# Altium PCB Fri3d_2024_Exp0_01.PcbDoc (part 1 of 2)
Units mm, origin at the board's own origin, x right, y up, seen from the top; angles counter-clockwise.
Board outline 99 x 106 mm, 2 copper layers (Top Layer, Bottom Layer), stack 1.571 mm thick; 36 components, 50 nets, 303 pads, 110 vias.
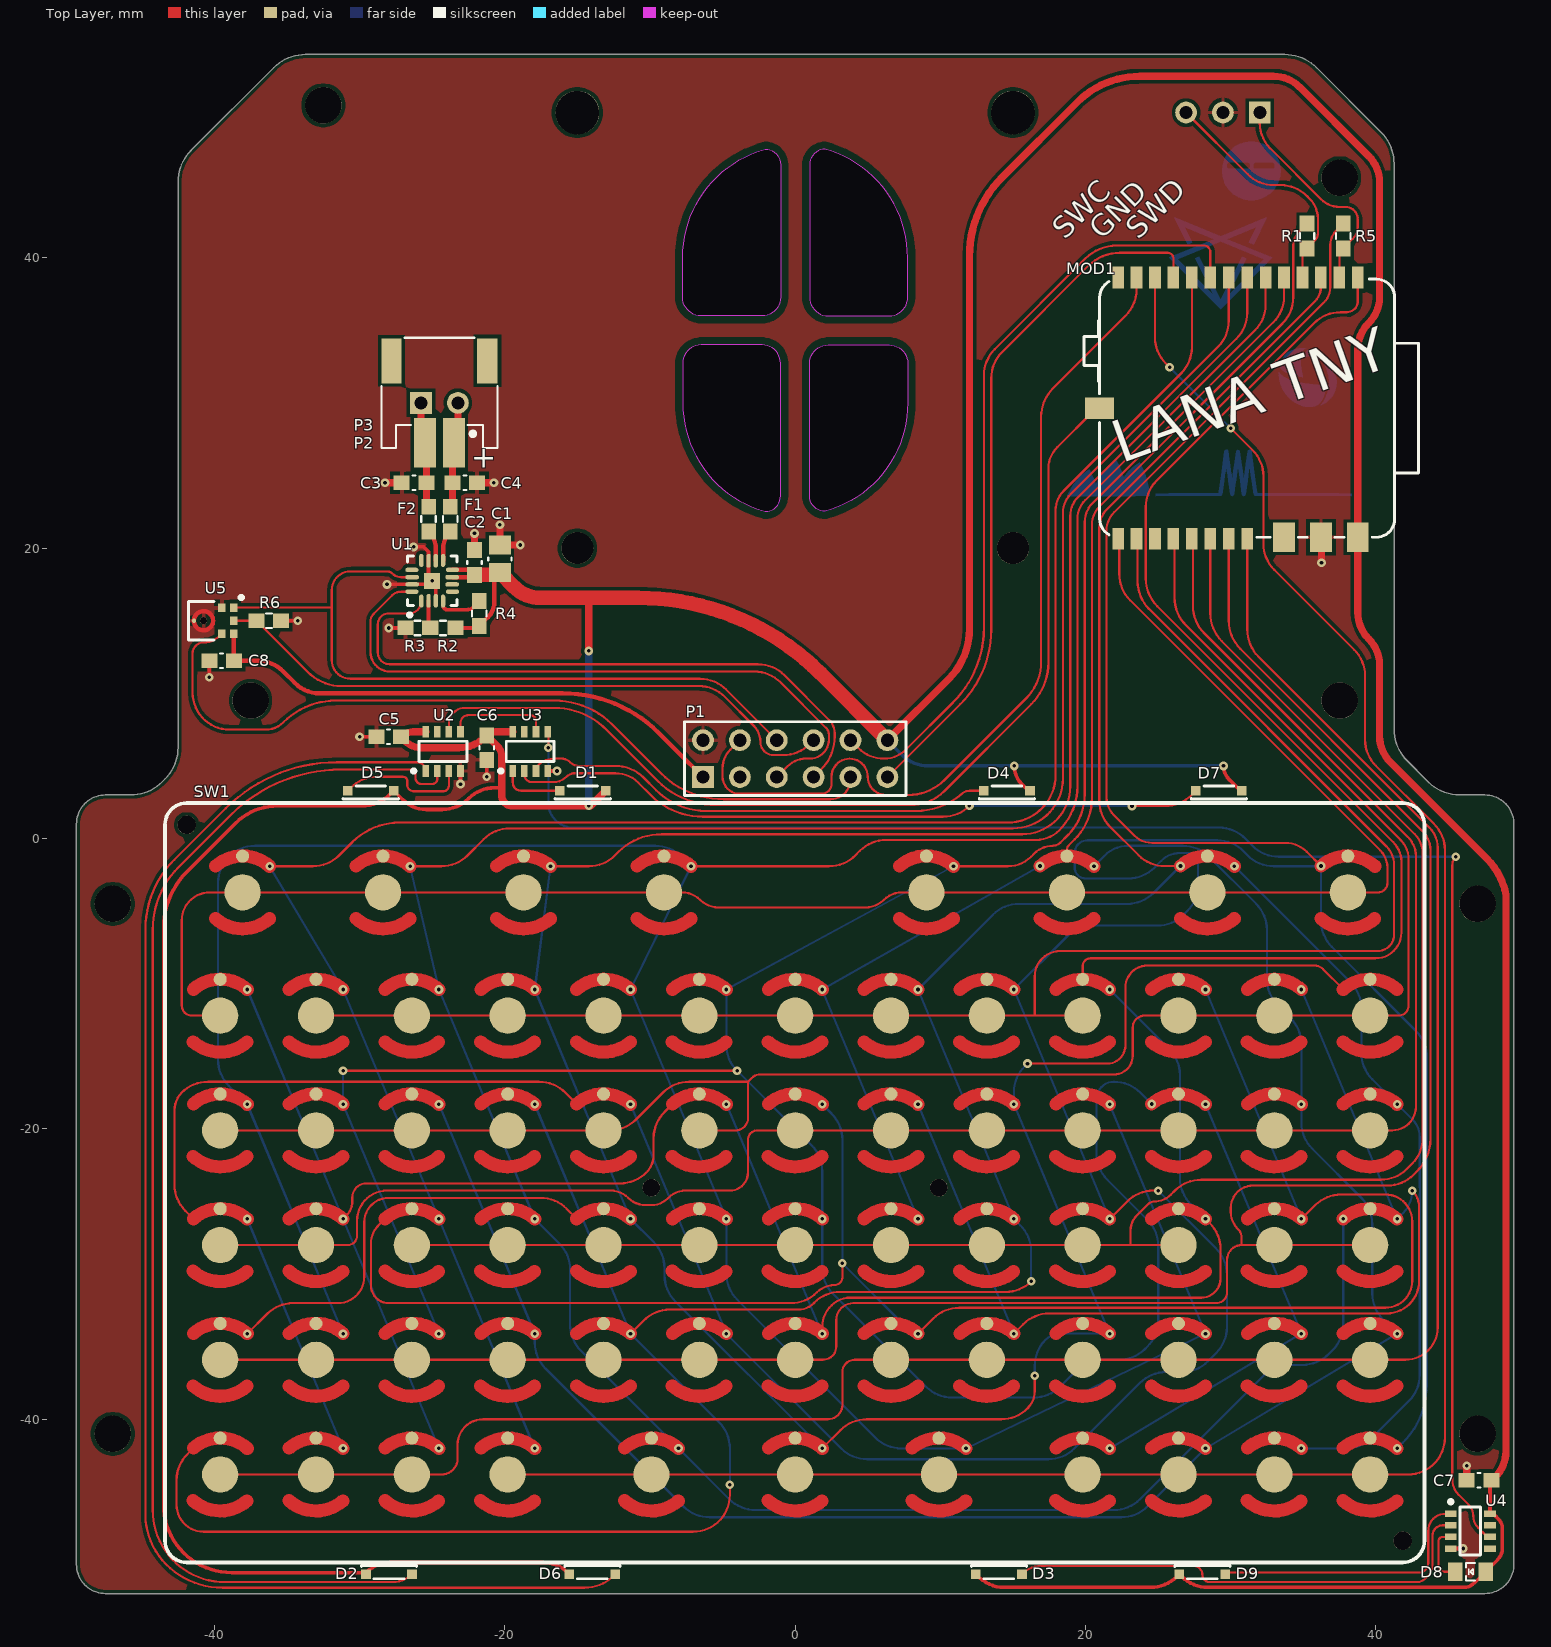
[diagram p0: Top Layer view]
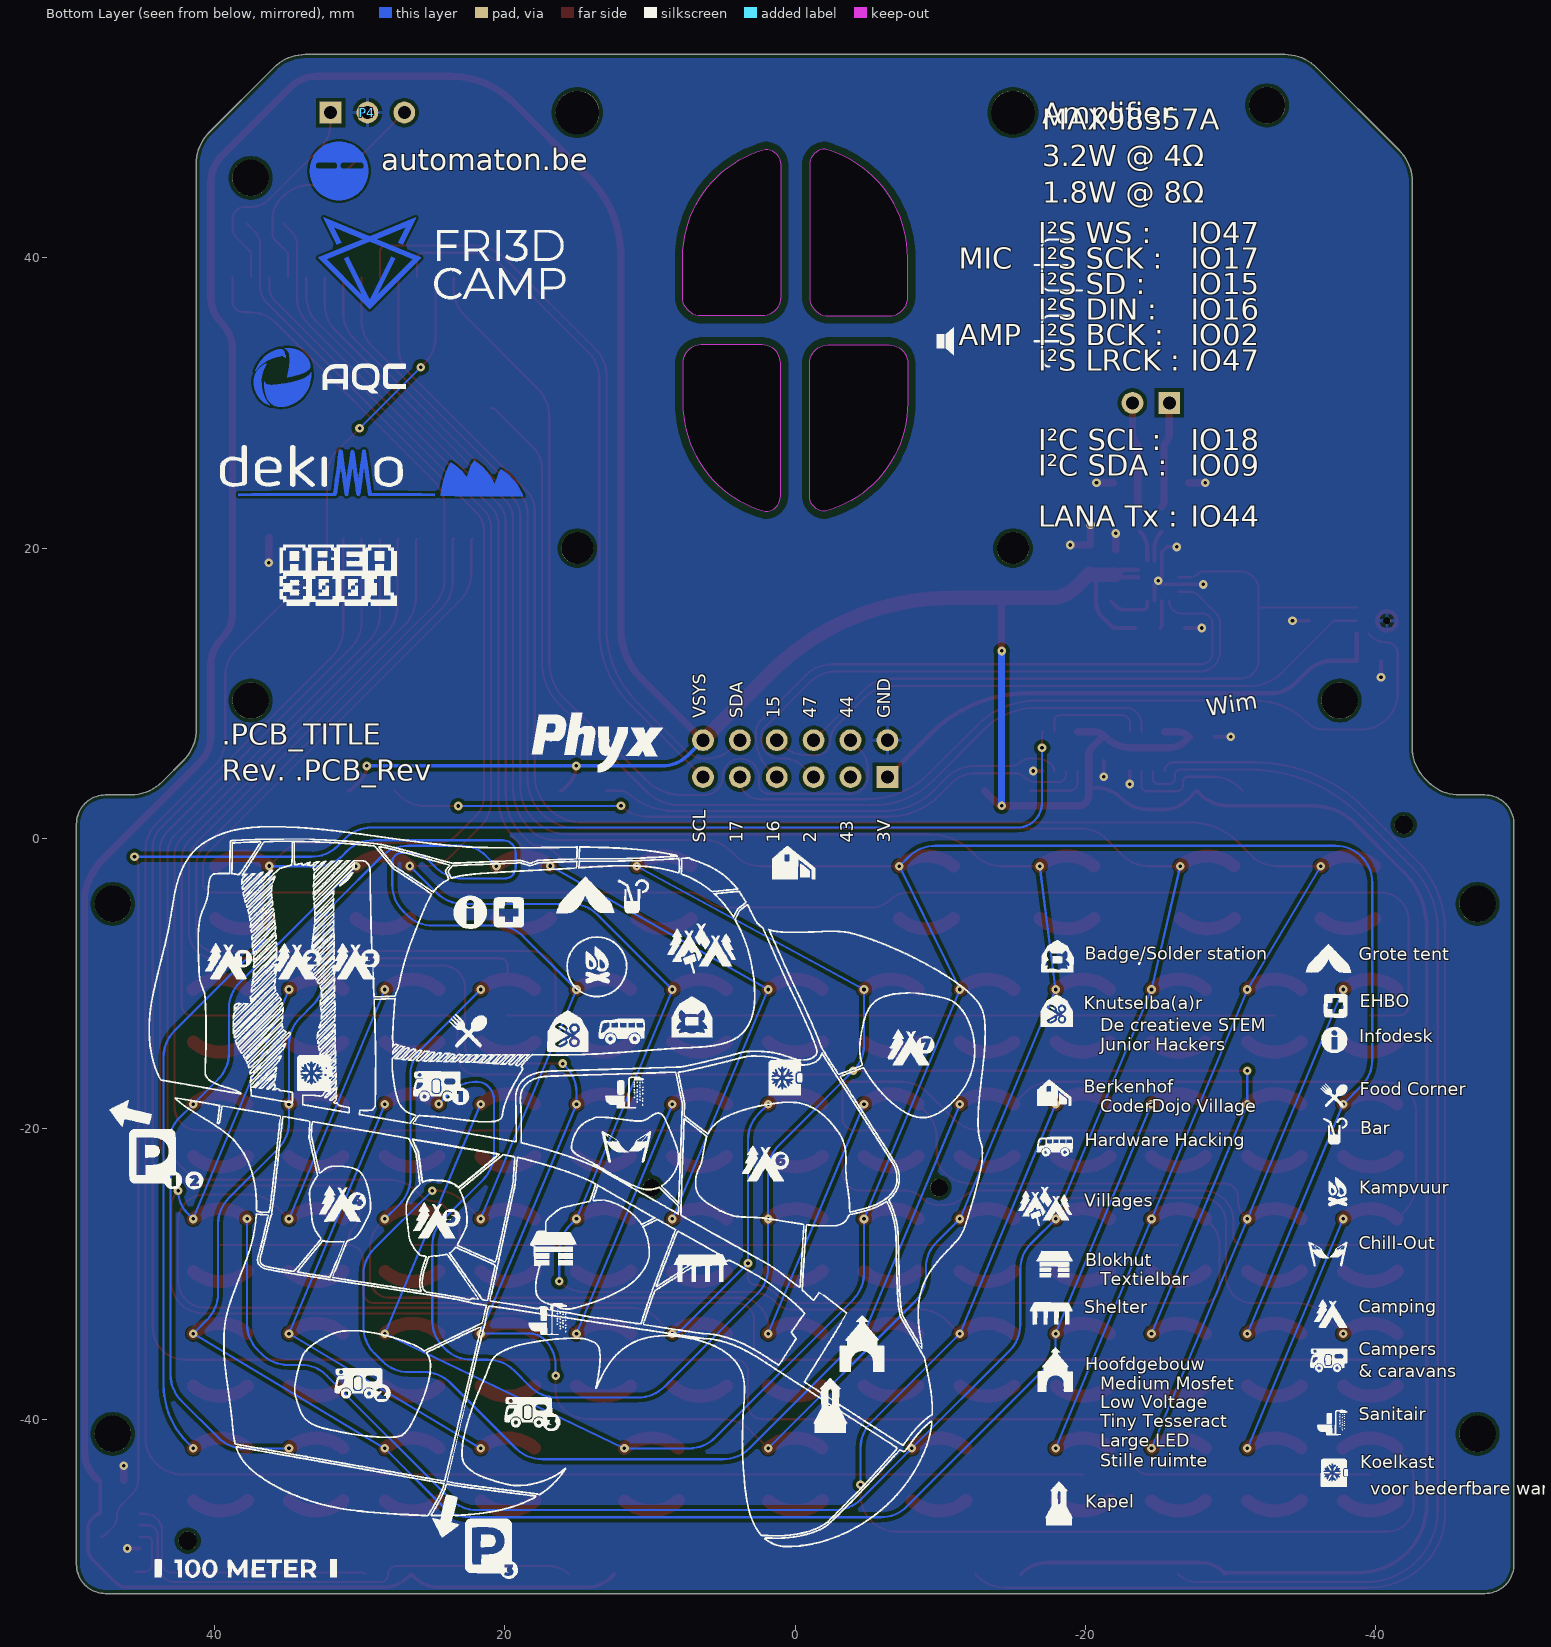
[diagram p1: Bottom Layer view, seen from below]

## Layer stack, top to bottom
Top Solder: solder mask 0.0102, Solder Resist, Dk 3.5
Top Layer: signal copper 0.0356
Dielectric1: core 1.5, FR-4, Dk 4.8
Bottom Layer: signal copper 0.0356
Bottom Solder: solder mask 0.0102, Solder Resist, Dk 3.5

## Board outline
-49.5,-50 ccw(c-47.5,-50) -47.5,-52 47.5,-52 ccw(c47.5,-50) 49.5,-50 49.5,1 ccw(c47.5,1) 47.5,3 45.77,3 cw(c45.77,6.066) 43.602,3.898 43.5,4 42.148,5.352 cw(c44.316,7.52) 41.25,7.52 41.25,7.561 41.25,46.48 ccw(c38.184,46.48) 40.352,48.648 35.898,53.102 ccw(c33.73,50.934) 33.73,54 -33.73,54 ccw(c-33.73,50.934) -35.898,53.102 -41.602,47.398 ccw(c-39.434,45.23) -42.5,45.23 -42.5,6.27 cw(c-45.566,6.27) -43.398,4.102 -43.5,4 -43.602,3.898 cw(c-45.77,6.066) -45.77,3 -47.5,3 ccw(c-47.5,1) -49.5,1
cut-out: 7.75,40 ccw(c0,40) 2.068,47.469 2.071,47.478 ccw(c2.071,46.407) 1,46.407 1,37.27 ccw(c2.27,37.27) 2.27,36 6.48,36 ccw(c6.48,37.27) 7.75,37.27
cut-out: -7.75,40 cw(c0,40) -2.068,47.469 -2.071,47.477 cw(c-2.071,46.407) -1,46.407 -1,37.27 cw(c-2.27,37.27) -2.27,36 -6.48,36 cw(c-6.48,37.27) -7.75,37.27
cut-out: 7.75,30 cw(c0,30) 2.068,22.531 2.071,22.523 cw(c2.071,23.593) 1,23.593 1,32.73 cw(c2.27,32.73) 2.27,34 6.48,34 cw(c6.48,32.73) 7.75,32.73
cut-out: -7.75,30 ccw(c0,30) -2.068,22.531 -2.071,22.523 ccw(c-2.071,23.593) -1,23.593 -1,32.73 ccw(c-2.27,32.73) -2.27,34 -6.48,34 ccw(c-6.48,32.73) -7.75,32.73

## Design rules (kind name [scope] priority, off if disabled: settings)
BoardOutlineClearance [NOT OnLayer('Top Overlay') AND NOT OnLayer('Bottom Overlay') AND NOT IsText AND NOT HasFootprint('MicroBIT_V2_PCB') AND NOT IsKeepOut] p1: gap=0.5 ignorepadtopadclearanceinfootprint=FALSE except(0: Arc-SplitContinuation Track-SplitContinuation SMDPad-SplitContinuation THPad-SplitContinuation Via-SplitContinuation Fill-SplitContinuation Poly-SplitContinuation Region-SplitContinuation Text-SplitContinuation; 0.15: SMDPad-OutlineEdge THPad-OutlineEdge; 0.25: Poly-OutlineEdge Region-OutlineEdge; 0.3: Arc-OutlineEdge Track-OutlineEdge; 0.4: Via-OutlineEdge)
Clearance [All] p1: gap=0.15 ignorepadtopadclearanceinfootprint=FALSE except(0: Arc-Hole Track-Hole SMDPad-Hole THPad-Hole Via-Hole Fill-Hole Region-Hole Text-Hole; 0.25: Arc-Poly Track-Poly SMDPad-Poly THPad-Poly Via-Poly Fill-Poly Poly-Hole; 1.1: Poly-Poly)
ComponentClearance ComponentClearance_TP [HasFootprint('TP_2x3mm')] p1: gap=0 collisioncheckmode=3 verticalgap=0 showdistances=FALSE
ComponentClearance ComponentClearance_CO2 [InComponent('P5') OR InComponent('P8') OR InComponent('MOD2') vs InComponent('P5') OR InComponent('P8') OR InComponent('MOD2')] p2: gap=0 collisioncheckmode=3 verticalgap=0 showdistances=FALSE
ComponentClearance ComponentClearance_BAT [InComponent('P4')  OR InComponent('BAT1') OR InComponent('R27') vs InComponent('P4')  OR InComponent('BAT1') OR InComponent('R27')] p3: gap=0 collisioncheckmode=3 verticalgap=0 showdistances=FALSE
ComponentClearance ComponentClearance_R31-T5 [InComponent('R31') OR InComponent('T5') vs InComponent('R31') OR InComponent('T5')] p4: gap=0 collisioncheckmode=3 verticalgap=0 showdistances=FALSE
ComponentClearance "ComponentClearance_Selection resistors" [InComponent('R45') OR InComponent('R44') OR InComponent('R33') OR InComponent('R34') vs InComponent('R45') OR InComponent('R44') OR InComponent('R33') OR InComponent('R34')] p5: gap=0 collisioncheckmode=3 verticalgap=0 showdistances=FALSE
ComponentClearance ComponentClearance_T9-R4 [InComponent('R4') OR InComponent('T9') vs InComponent('R4') OR InComponent('T9')] p6: gap=0 collisioncheckmode=3 verticalgap=0 showdistances=FALSE
ComponentClearance ComponentClearance_IR [InComponent('D6') OR InComponent('D15') vs InComponent('D6') OR InComponent('D15')] p7: gap=0 collisioncheckmode=3 verticalgap=0 showdistances=FALSE
ComponentClearance [All] p8: gap=0.25 collisioncheckmode=3 verticalgap=0.25 showdistances=FALSE
DiffPairsRouting [All] p1: maxlimit=0.254 minlimit=0.2 mostfreqgap=0.2 toplayer_minwidth=0.25 toplayer_maxwidth=0.5 toplayer_prefwidth=0.25 bottomlayer_minwidth=0.25 bottomlayer_maxwidth=0.5 bottomlayer_prefwidth=0.25 maxuncoupledlength=12.7
HoleSize [All] p1: absolutevalues=TRUE maxlimit=20 minlimit=0.025 maxpercent=80.000 minpercent=20.000
PolygonConnect PolygonConnect_VIA [IsVia] p1: connectstyle=Direct reliefconductorwidth=0.254 reliefentries=4 polygonreliefangle="90 Angle" airgapwidth=0.254
PolygonConnect [All] p2: connectstyle=Relief reliefconductorwidth=0.254 reliefentries=4 polygonreliefangle="90 Angle" airgapwidth=0.254
RoutingVias [All] p1: holewidth=0.3 width=0.7 viastyle="Through Hole" minholewidth=0.3 minwidth=0.2 maxholewidth=0.6 maxwidth=1.2
SilkToSolderMaskClearance SilkscreenOverComponentPads [IsPad] p1: minsilkscreentomaskgap=0.254 clearancetoexposedcopper=TRUE
SolderMaskExpansion [All] p1: expansion=0.05 istentingtop=FALSE
SupplyNets "Schematic Supply Nets_3" [InNet('VSYS')] p1: voltage=0.000
SupplyNets "Schematic Supply Nets_2" [InNet('GND')] p2: voltage=0.000
SupplyNets "Schematic Supply Nets_1" [InNet('3V3_AUX')] p3: voltage=0.000
SupplyNets "Schematic Supply Nets" [InNet('3V3_LANA')] p4: voltage=0.000
Width [All] p1: maxlimit=5 minlimit=0.15 preferedwidth=0.25
26 further rules are at their usual default settings.

## Classes and differential pairs
component class Designator: C5 C6 C7 D1 D2 D3 D4 D5 D6 D7 D8 D9 MOD1 P4 R1 R5 SW1 U2 U3 U4
component class Fri3d_2024_Exp0_01: C1 C2 C3 C4 C8 F1 F2 P1 P2 P3 R2 R3 R4 R6 U1 U5

## Components (designator, comment, footprint, x,y, rotation, side; value= is the part's Value field where it differs from the comment)
C1 "CAP_CERAMIC" C0805_N -20.337,19.263 r90 top value="10uF 10V"
C2 "" C0603_N -22.087,19.013 r90 top value="100nF 16V"
C3 "CAP_CERAMIC" C0603_N -26.25,24.5 r180 top value=220pF
C4 "CAP_CERAMIC" C0603_N -22.75,24.5 r0 top value=220pF
C5 "CAP_CERAMIC" C0603_N -28,7 r180 top value="1uF 16V"
C6 "CAP_CERAMIC" C0603_N -21.25,6.25 r270 top value="1uF 16V"
C7 "CAP_CERAMIC" C0603_N 47.1,-44.2 r180 top value="1uF 16V"
C8 "" C0603_N -39.5,12.25 r180 top value="100nF 16V"
D1 "Side emitting Cool White LED 3.0V 30mA 120° 2900mcd" LITE_LTW-010DCG -14.63,3.291 r180 top value=LTW-010DCG-SR-G
D2 "Side emitting Cool White LED 3.0V 30mA 120° 2900mcd" LITE_LTW-010DCG -27.97,-50.659 r0 top value=LTW-010DCG-SR-G
D3 "Side emitting Cool White LED 3.0V 30mA 120° 2900mcd" LITE_LTW-010DCG 14.03,-50.659 r0 top value=LTW-010DCG-SR-G
D4 "Side emitting Cool White LED 3.0V 30mA 120° 2900mcd" LITE_LTW-010DCG 14.58,3.291 r180 top value=LTW-010DCG-SR-G
D5 "Side emitting Cool White LED 3.0V 30mA 120° 2900mcd" LITE_LTW-010DCG -29.23,3.291 r180 top value=LTW-010DCG-SR-G
D6 "Side emitting Cool White LED 3.0V 30mA 120° 2900mcd" LITE_LTW-010DCG -13.97,-50.659 r0 top value=LTW-010DCG-SR-G
D7 "Side emitting Cool White LED 3.0V 30mA 120° 2900mcd" LITE_LTW-010DCG 29.18,3.291 r180 top value=LTW-010DCG-SR-G
D8 "Default 0805 Green LED" LED_0805_GR 46.5,-50.5 r180 top
D9 "Side emitting Cool White LED 3.0V 30mA 120° 2900mcd" LITE_LTW-010DCG 28.04,-50.659 r0 top value=LTW-010DCG-SR-G
F1 "BLM18KG601SN1D" L0603 -23.75,22 r90 top value="1A3 0R15"
F2 "BLM18KG601SN1D" L0603 -25.25,22 r90 top value="1A3 0R15"
MOD1 "CH23V203 based TNY module" PHYX_LANA_TNY_SMD 41.29,20.75 r90 top value="LANA TNY"
P1 "Header 6X2" HDR2X6 -6.35,4.23 r0 top locked
P2 "Header 2.0mm Shrouded 2" WE_620102131822 -23.5,27.25 r180 top value=620102131822
P3 "Header 2 RA" HDR1X2_RA -25.77,30 r180 top
P4 "Header 3" HDR1X3 32,50 r180 bottom
R1 "RESISTOR" R0603_N 35.25,41.5 r270 top value=0R
R2 "RESISTOR" R0603_N -24.25,14.5 r0 top value=100K
R3 "RESISTOR" R0603_N -26,14.5 r180 top value=100K
R4 "RESISTOR" R0603_N -21.75,15.5 r90 top value=1M
R5 "RESISTOR" R0603_N 37.75,41.5 r270 top value=0R
R6 "RESISTOR" R0603_N -36.25,15 r0 top value=100K
SW1 "Full QWERTY Keyboard Solder Party Dome Sheet" Solder_Party_Keyb -43.409,-48.36 r0 top locked
U1 "Mono I²S DAC AMP 3W 2.5~5.5V" QFN_16_0.5_3X3 -25,17.75 r90 top value=MAX98357A
U2 "3 Channel CC LED Driver 20mA" WS_FSOP-8 -24.25,6 r90 top value=WS2811F
U3 "3 Channel CC LED Driver 20mA" WS_FSOP-8 -18.25,6 r90 top value=WS2811F
U4 "3 Channel CC LED Driver 20mA" WS_FSOP-8 46.5,-47.7 r0 top value=WS2811F
U5 "I2S MIC ICS-43434" TDK_ICS-43434 -40.75,15 r180 top value=ICS-43434

## Footprints (in the part's own frame and the unit in brackets; to place one, negate y for a bottom-side part, rotate by r counter-clockwise, add the part's x,y. Pads: shape width x height; smd on the part's side, far side on the other; paste and mask are expansions set on the pad)
C0603_N [mm] "Low density"
  rect 1.1x1 smd: 1(-0.85,0) 2(0.85,0)
  silkscreen extent -0.1,-0.5 0.1,0.5, body extent -0.8,-0.4 0.8,0.4, height 0.3
C0805_N [mm] "Low density"
  rect 1.3x1.5 smd: 1(-0.95,0) 2(0.95,0)
  silkscreen extent -0.1,-0.8 0.1,0.8, body extent -1,-0.62 1,0.63, height 0.78
HDR1X2_RA [mm] "Connector; Header; 2 Position, Right Angle"
  rect 1.5x1.5 hole 0.9: 1(0,0)
  round 1.5 hole 0.9: 2(-2.54,0)
  body extent -3.81,-10.06 1.27,0.3, height 2.55
HDR1X3 [mm] "Connector; Header; 3 Position"
  rect 1.5x1.5 hole 0.9: 1(0,0)
  round 1.5 hole 0.9: 2(2.54,0) 3(5.08,0)
  body extent -1.27,-1.23 6.35,1.27, height 8.2
HDR2X6 [mm] "Connector; Header; 6x2 Position"
  rect 1.5x1.5 hole 0.9: 1(0,0)
  round 1.5 hole 0.9: 2(0,2.54) 3(2.54,0) 4(2.54,2.54) 5(5.08,0) 6(5.08,2.54) 7(7.62,0) 8(7.62,2.54) 9(10.16,0) 10(10.16,2.54) 11(12.7,0) 12(12.7,2.54)
  silkscreen extent -1.27,-1.27 13.97,3.81, body extent -1.27,-1.27 13.97,3.81, height 8.5
L0603 [mm] "Low density 0603"
  rect 1.1x1 smd: 1(-0.85,0) 2(0.85,0)
  silkscreen extent -0.2,-0.5 0.2,0.5, body extent -0.8,-0.41 0.8,0.41, height 0.45
LED_0805_GR [mm] "0805 LED GREEN"
  rect 1x1.3 smd: 1(-1.05,0) 2(1.05,0)
  silkscreen extent -0.3,-0.6 0.3,0.6, body extent -1.01,-0.62 1.01,0.63, height 1.1
LITE_LTW-010DCG [mm] "5050 RGB LED WS2812B WHITE"
  rect 0.67x0.66 smd: 1(-1.585,0) 2(1.585,0)
  silkscreen extent -1.9,-0.32 1.9,0.58, body extent -1.9,-0.33 1.9,0.58, height 0.4
PHYX_LANA_TNY_SMD [mm] "Phyx LANA TNY SMD"
  rect 1.5x0.8 smd: 1(-0.1,19.05) 2(-0.1,17.78) 3(-0.1,16.51) 4(-0.1,15.24) 5(-0.1,13.97) 6(-0.1,12.7) 7(-0.1,11.43) 8(-0.1,10.16) 12(17.88,2.54) 13(17.88,3.81) 14(17.88,5.08) 15(17.88,6.35) 16(17.88,7.62) 17(17.88,8.89) 18(17.88,10.16) 19(17.88,11.43) 20(17.88,12.7) 21(17.88,13.97) 22(17.88,15.24) 23(17.88,16.51) 24(17.88,17.78) 25(17.88,19.05)
  rect 2x1.5 smd: 9(0,7.62) 10(0,5.08) 11(0,2.54)
  rect 1.5x2 smd: 26(8.89,20.32)
  silkscreen extent 0,-1.64 17.78,21.4, body extent 0,-1.65 17.78,21.39, height 5.4
QFN_16_0.5_3X3 [mm] "QFN, 16-Leads, Body 3,00x3,00mm, Pitch 0,50mm, Thermal Pad 1,10x1,10mm, IPC Medium Density"
  oval 0.9x0.3 smd: 1(-1.4,0.75) 4(-1.4,-0.75) 9(1.4,-0.75) 12(1.4,0.75)
  oval 0.95x0.3 smd: 2(-1.375,0.25) 3(-1.375,-0.25) 10(1.375,-0.25) 11(1.375,0.25)
  oval 0.3x0.9 smd: 5(-0.75,-1.4) 8(0.75,-1.4) 13(0.75,1.4) 16(-0.75,1.4)
  oval 0.3x0.95 smd: 6(-0.25,-1.375) 7(0.25,-1.375) 14(0.25,1.375) 15(-0.25,1.375)
  rect 1.1x1.1 smd: 17(0,0)
  silkscreen extent -2.47,-1.7 1.7,1.7, body extent -1.56,-1.56 1.56,1.56, height 0.8
R0603_N [mm] "Low density"
  rect 1.1x1 smd: 1(-0.85,0) 2(0.85,0)
  silkscreen extent -0.2,-0.5 0.2,0.5, body extent -0.8,-0.41 0.8,0.41, height 0.45
Solder_Party_Keyb [mm]
  round 1.27 hole 1.27 unplated: 0(1.5,49.3) 0(85.25,0)
  round 1.2 hole 1.2: 0(33.5,24.31) 0(53.3,24.31)
  round 0.9 smd paste-2539.97: 1(5.349,47.151) 3(15.024,47.151) 5(24.699,47.151) 7(34.374,47.151) 9(52.449,47.151) 11(62.124,47.151) 13(71.799,47.151) 15(81.474,47.151) 17(3.809,38.661) 19(10.409,38.661) 21(17.009,38.661) 23(23.609,38.661) 25(30.209,38.661) 27(36.809,38.661) 29(43.409,38.661) 31(50.009,38.661) 33(56.609,38.661) 35(63.209,38.661) 37(69.809,38.661) 39(76.409,38.661) 41(83.009,38.661) 43(3.809,30.761) 45(10.409,30.761) 47(17.009,30.761) 49(23.609,30.761) 51(30.209,30.761) 53(36.809,30.761) 55(43.409,30.761) 57(50.009,30.761) 59(56.609,30.761) 61(63.209,30.761) 63(69.809,30.761) 65(76.409,30.761) 67(83.009,30.761) 69(3.809,22.861) 71(10.409,22.861) 73(17.009,22.861) 75(23.609,22.861) 77(30.209,22.861) 79(36.809,22.861) 81(43.409,22.861) 83(50.009,22.861) 85(56.609,22.861) 87(63.209,22.861) 89(69.809,22.861) 91(76.409,22.861) 93(83.009,22.861) 95(3.809,14.961) 97(10.409,14.961) 99(17.009,14.961) 101(23.609,14.961) 103(30.209,14.961) 105(36.809,14.961) 107(43.409,14.961) 109(50.009,14.961) 111(56.609,14.961) 113(63.209,14.961) 115(69.809,14.961) 117(76.409,14.961) 119(83.009,14.961) 121(3.809,7.061) 123(10.409,7.06) 125(17.009,7.06) 127(23.609,7.06) 129(33.509,7.06) 131(43.409,7.06) 133(53.309,7.06) 135(63.209,7.06) 137(69.809,7.06) 139(76.409,7.06) 141(83.009,7.06)
  round 2.5 smd paste-2539.97: 2(5.349,44.65) 4(15.024,44.65) 6(24.699,44.65) 8(34.374,44.65) 10(52.449,44.65) 12(62.124,44.65) 14(71.799,44.65) 16(81.474,44.65) 18(3.809,36.16) 20(10.409,36.16) 22(17.009,36.16) 24(23.609,36.16) 26(30.209,36.16) 28(36.809,36.16) 30(43.409,36.16) 32(50.009,36.16) 34(56.609,36.16) 36(63.209,36.16) 38(69.809,36.16) 40(76.409,36.16) 42(83.009,36.16) 44(3.809,28.26) 46(10.409,28.26) 48(17.009,28.26) 50(23.609,28.26) 52(30.209,28.26) 54(36.809,28.26) 56(43.409,28.26) 58(50.009,28.26) 60(56.609,28.26) 62(63.209,28.26) 64(69.809,28.26) 66(76.409,28.26) 68(83.009,28.26) 70(3.809,20.36) 72(10.409,20.36) 74(17.009,20.36) 76(23.609,20.36) 78(30.209,20.36) 80(36.809,20.36) 82(43.409,20.36) 84(50.009,20.36) 86(56.609,20.36) 88(63.209,20.36) 90(69.809,20.36) 92(76.409,20.36) 94(83.009,20.36) 96(3.809,12.46) 98(10.409,12.46) 100(17.009,12.46) 102(23.609,12.46) 104(30.209,12.46) 106(36.809,12.46) 108(43.409,12.46) 110(50.009,12.46) 112(56.609,12.46) 114(63.209,12.46) 116(69.809,12.46) 118(76.409,12.46) 120(83.009,12.46) 122(3.809,4.56) 124(10.409,4.559) 126(17.009,4.559) 128(23.609,4.559) 130(33.509,4.559) 132(43.409,4.559) 134(53.309,4.559) 136(63.209,4.559) 138(69.809,4.559) 140(76.409,4.559) 142(83.009,4.559)
  Top Layer pour cut-out: 2.925,42.95 2.925,46.275 3.575,46.925 7.175,46.925 7.775,46.325 7.775,42.9 7.5,42.625 3.125,42.625
  Top Layer pour cut-out: 12.6,42.95 12.6,46.275 13.25,46.925 16.85,46.925 17.45,46.325 17.45,42.9 17.175,42.625 12.8,42.625
  Top Layer pour cut-out: 22.275,42.95 22.275,46.275 22.925,46.925 26.525,46.925 27.125,46.325 27.125,42.9 26.85,42.625 22.475,42.625
  Top Layer pour cut-out: 31.95,42.95 31.95,46.275 32.6,46.925 36.2,46.925 36.8,46.325 36.8,42.9 36.525,42.625 32.15,42.625
  Top Layer pour cut-out: 50.025,42.95 50.025,46.275 50.675,46.925 54.275,46.925 54.875,46.325 54.875,42.9 54.6,42.625 50.225,42.625
  Top Layer pour cut-out: 59.7,42.95 59.7,46.275 60.35,46.925 63.95,46.925 64.55,46.325 64.55,42.9 64.275,42.625 59.9,42.625
  Top Layer pour cut-out: 69.375,42.95 69.375,46.275 70.025,46.925 73.625,46.925 74.225,46.325 74.225,42.9 73.95,42.625 69.575,42.625